# KiCad board gpu-external-power-supply.kicad_pcb (continued)
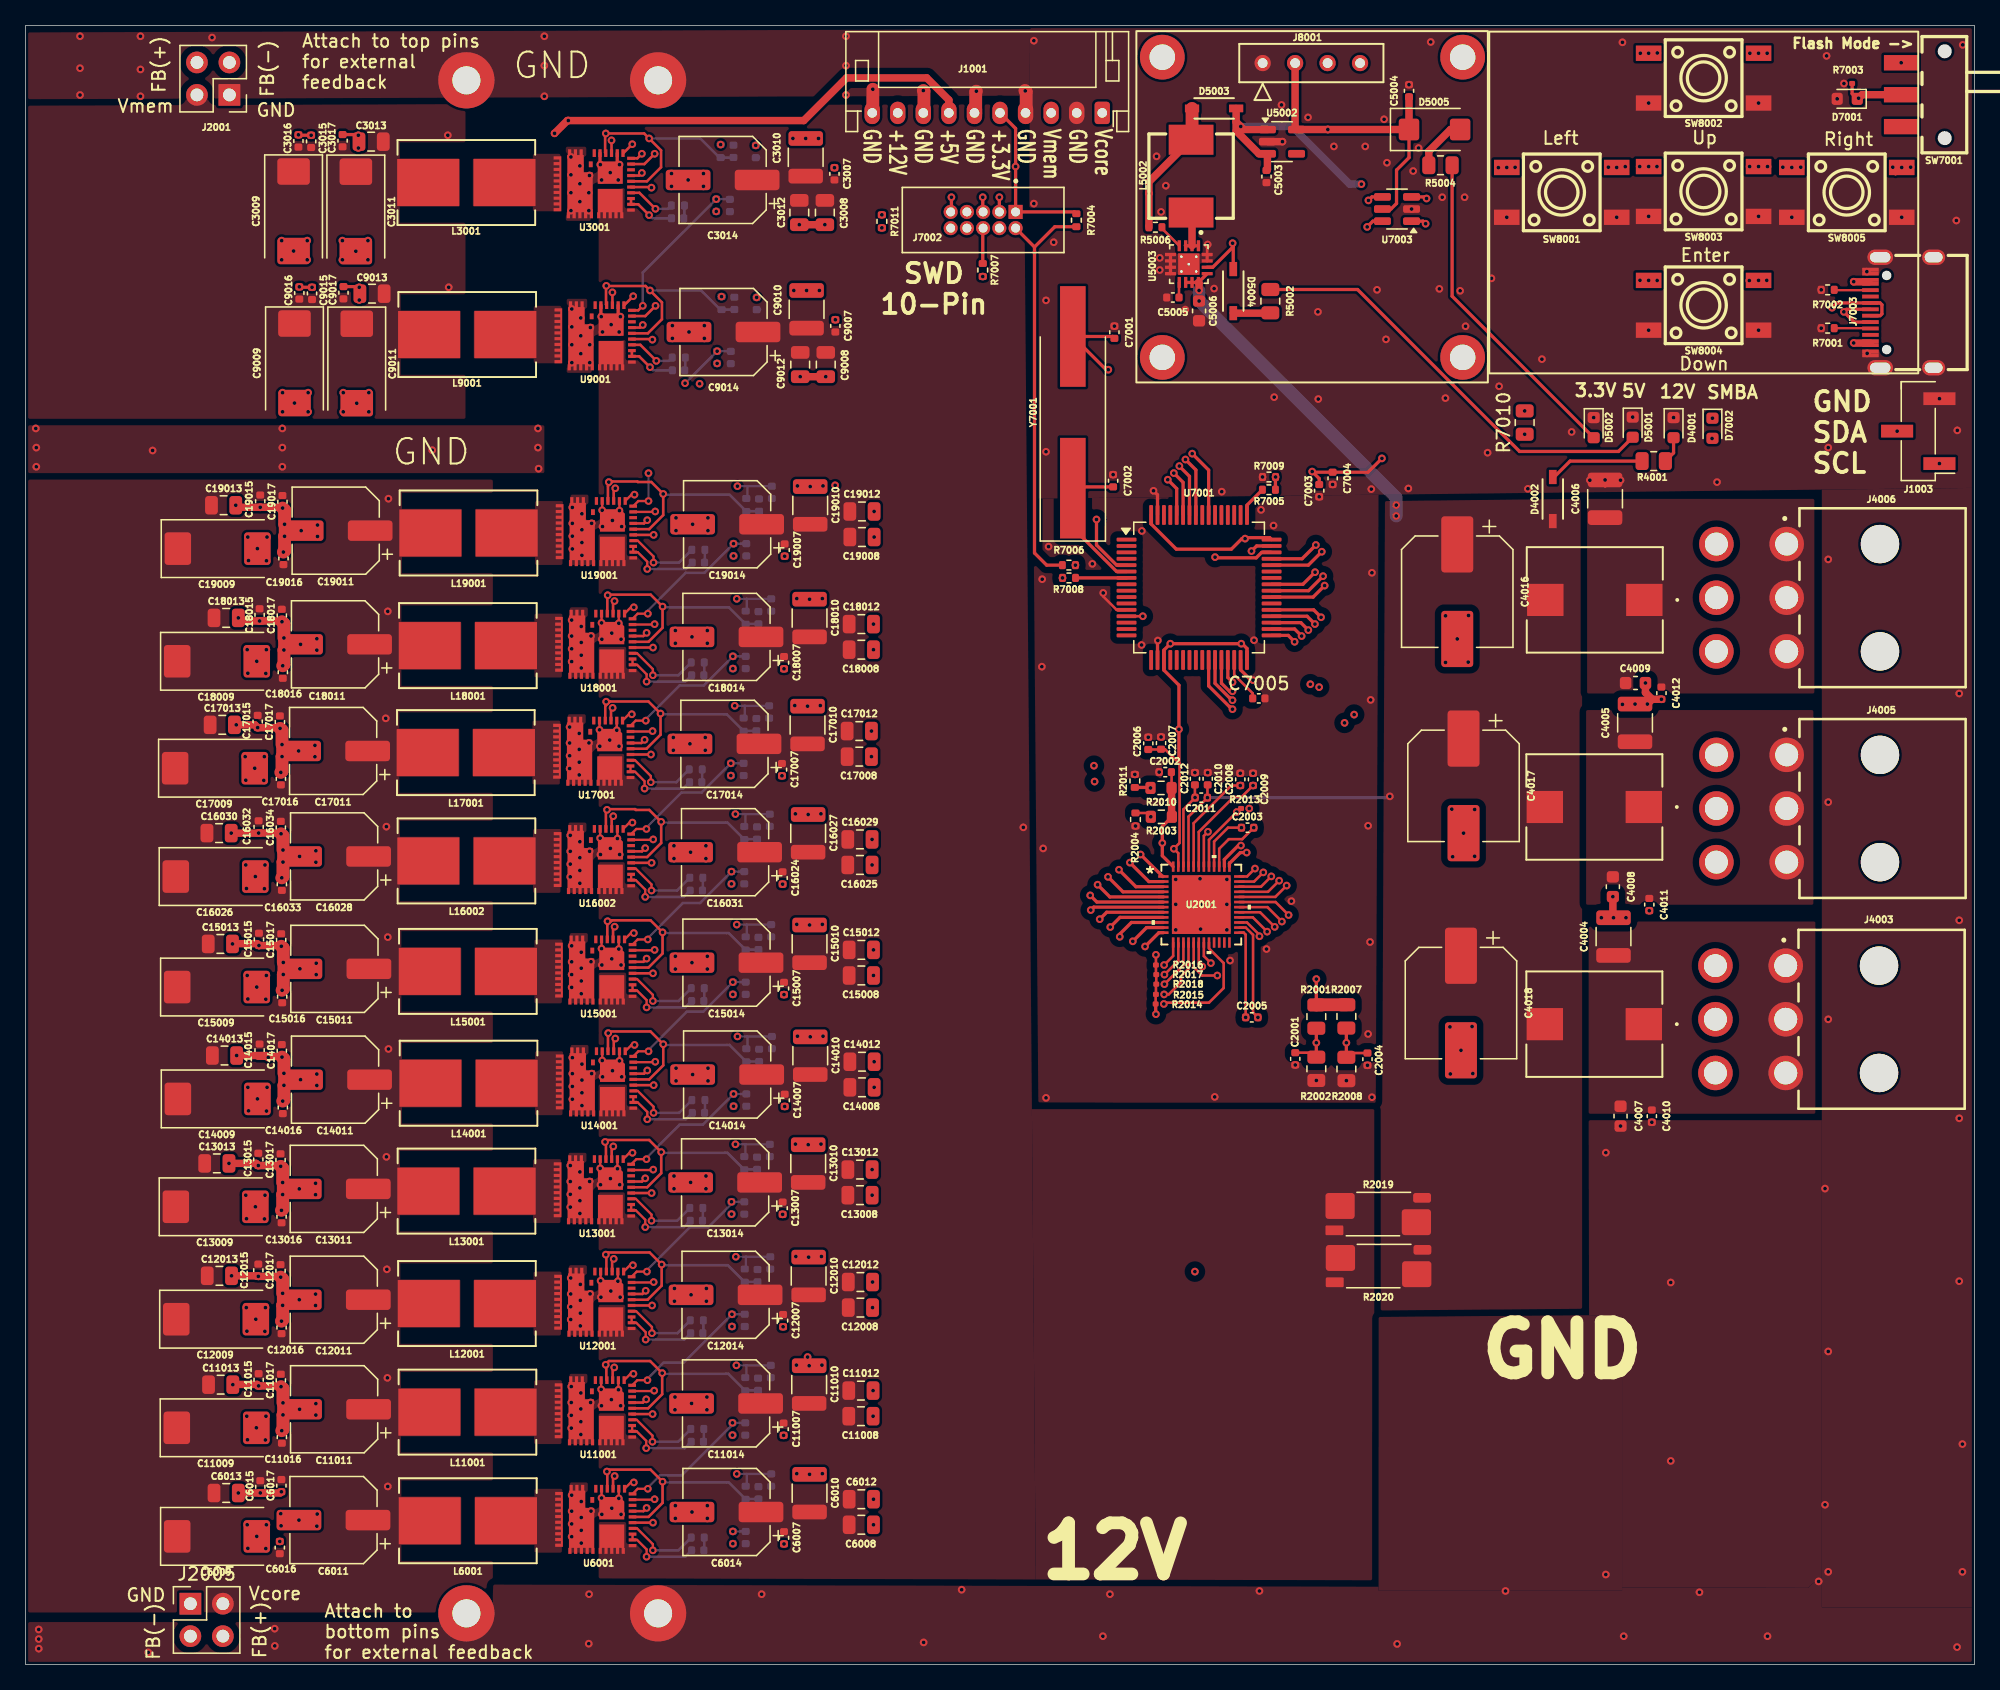
[diagram p0: board, top side]
## Placement (name value [footprint] x y rotation side) (continued)
R15001  2.2  [R_0402_1005Metric]  56.34 56.44 90 bottom
R15002  0  [R_0402_1005Metric]  52.59 52.93 0 bottom
R16003  2.2  [R_0402_1005Metric]  56.23 65.09 90 bottom
R16004  0  [R_0402_1005Metric]  52.48 61.58 0 bottom
R17001  2.2  [R_0402_1005Metric]  56.18 73.57 90 bottom
R17002  0  [R_0402_1005Metric]  52.43 70.06 0 bottom
R18001  2.2  [R_0402_1005Metric]  56.34 81.94 90 bottom
R18002  0  [R_0402_1005Metric]  52.59 78.43 0 bottom
R19001  2.2  [R_0402_1005Metric]  56.39 90.76 90 bottom
R19002  0  [R_0402_1005Metric]  52.64 87.25 0 bottom
REF**  -  [OC_Club_Logo]  139.27 25.74 0 top
SW7001  SW_Wuerth_450301014042  [SW-SMD_K3-1280S-K1]  146.75 122.88 0 top
SW8001  CK_KMS2xxG  [KEY-SMD_4P-L6.0-W6.0-P3.90-LS9.0]  120.19 115.23 180 top
SW8002  CK_KMS2xxG  [KEY-SMD_4P-L6.0-W6.0-P3.90-LS9.0]  131.29 124.17 180 top
SW8003  CK_KMS2xxG  [KEY-SMD_4P-L6.0-W6.0-P3.90-LS9.0]  131.29 115.3 180 top
SW8004  CK_KMS2xxG  [KEY-SMD_4P-L6.0-W6.0-P3.90-LS9.0]  131.29 106.39 180 top
SW8005  CK_KMS2xxG  [KEY-SMD_4P-L6.0-W6.0-P3.90-LS9.0]  142.49 115.23 180 top
U2001  TPS536C7B1RSLT  [QFN48_6X6_TEX]  91.99 59.48 0 top
U3001  -  [AOZ5276QI]  44.47 115.9 270 top
U5002  TPS73633DBVR  [SOT-23-5]  98.3 119.2 0 top
U5003  TPS62143RGTR  [QFN50P300X300X100-17N]  91.02 109.61 270 top
U6001  -  [AOZ5276QI]  44.59 11.35 270 top
U7001  STM32F401RBTx  [LQFP-64_10x10mm_P0.5mm]  91.81 84.3 0 top
U7003  USBLC6-2SC6  [SOT-23-6]  107.3 113.92 180 top
U9001  -  [AOZ5276QI]  44.54 104 270 top
U11001  -  [AOZ5276QI]  44.56 19.85 270 top
U12001  -  [AOZ5276QI]  44.52 28.35 270 top
U13001  -  [AOZ5276QI]  44.48 37.16 270 top
U14001  -  [AOZ5276QI]  44.64 45.6 270 top
U15001  -  [AOZ5276QI]  44.59 54.35 270 top
U16002  -  [AOZ5276QI]  44.48 63 270 top
U17001  -  [AOZ5276QI]  44.43 71.48 270 top
U18001  -  [AOZ5276QI]  44.59 79.85 270 top
U19001  -  [AOZ5276QI]  44.64 88.67 270 top
Y7001  8Mhz, 16pF  [Crystal_SMD_HC49-SD_HandSoldering]  81.94 98.01 90 top

## Library data of the parts
C2001 C2004 = -: Datasheet: https://jlcpcb.com/partdetail/1875-0402B102K500NT/C1523; Description: Unpolarized capacitor; LCSC Part Number: C1523; ki_fp_filters: C_*
C2002 C2010-C2012 C5003 C5004 = -: Datasheet: https://jlcpcb.com/partdetail/15107-CL05A105KP5NNNC/C14445; Description: Unpolarized capacitor; LCSC Part Number: C14445; ki_fp_filters: C_*
C2003 C2005 = -: Datasheet: https://jlcpcb.com/partdetail/1898-0402CG101J500NT/C1546; Description: Unpolarized capacitor; LCSC Part Number: C1546; ki_fp_filters: C_*
C2006 C3003 C3006 C3007 C3017 C4010-C4012 C6003 C6006 C6007 C6017 C7004 C9003 C9006 C9007 C9017 C11003 C11006 C11007 C11017 C12003 C12006 C12007 C12017 C13003 C13006 C13007 C13017 C14003 C14006 C14007 C14017 C15003 C15006 C15007 C15017 C16020 C16023 C16024 C16034 C17003 C17006 C17007 C17017 C18003 C18006 C18007 C18017 C19003 C19006 C19007 C19017 = -: Datasheet: https://jlcpcb.com/partdetail/1933-0402F104M500NT/C1581; Description: Unpolarized capacitor; LCSC Part Number: C1581; ki_fp_filters: C_*
C2007 C3016 C6016 C7003 C9016 C11016 C12016 C13016 C14016 C15016 C16033 C17016 C18016 C19016 = -: Datasheet: https://jlcpcb.com/partdetail/24469-CL05A475MP5NRNC/C23733; Description: Unpolarized capacitor; LCSC Part Number: C23733; ki_fp_filters: C_*
C2008 C2009 = -: Datasheet: https://jlcpcb.com/partdetail/1882-0402B221K500NT/C1530; Description: Unpolarized capacitor; LCSC Part Number: C1530; ki_fp_filters: C_*
C3001 C6001 C9001 C11001 C12001 C13001 C14001 C15001 C16018 C17001 C18001 C19001 = -: Datasheet: https://jlcpcb.com/partdetail/1919-0402CG470J500NT/C1567; Description: Unpolarized capacitor; LCSC Part Number: C1567; ki_fp_filters: C_*
C3002 C3004 C6002 C6004 C9002 C9004 C11002 C11004 C12002 C12004 C13002 C13004 C14002 C14004 C15002 C15004 C16019 C16021 C17002 C17004 C18002 C18004 C19002 C19004 = -: Datasheet: https://jlcpcb.com/partdetail/13164-CL05A225MQ5NSNC/C12530; Description: Unpolarized capacitor; LCSC Part Number: C12530; ki_fp_filters: C_*
C3008 C3012 C6008 C6012 C9008 C9012 C11008 C11012 C12008 C12012 C13008 C13012 C14008 C14012 C15008 C15012 C16025 C16029 C17008 C17012 C18008 C18012 C19008 C19012 = -: Datasheet: https://jlcpcb.com/partdetail/46786-CL21A226MAQNNNE/C45783; Description: Unpolarized capacitor; LCSC Part Number: C45783; ki_fp_filters: C_*
C3009 C3011 C9009 C9011 = -: Datasheet: https://jlcpcb.com/partdetail/Panasonic-EEFCX0E331R/C165969; Description: Unpolarized capacitor; LCSC Part Number: C165969; ki_fp_filters: C_*
C3010 C4004-C4006 C6010 C9010 C11010 C12010 C13010 C14010 C15010 C16027 C17010 C18010 C19010 = -: Datasheet: https://jlcpcb.com/partdetail/MurataElectronics-GRM32ER61C476KE15L/C77101; Description: Unpolarized capacitor; LCSC Part Number: C77101; ki_fp_filters: C_*
C3013 C6013 C9013 C11013 C12013 C13013 C14013 C15013 C16030 C17013 C18013 C19013 = -: Datasheet: https://jlcpcb.com/partdetail/17464-CL21A476MQYNNNE/C16780; Description: Unpolarized capacitor; LCSC Part Number: C16780; ki_fp_filters: C_*
C3014 C6011 C6014 C9014 C11011 C11014 C12011 C12014 C13011 C13014 C14011 C14014 C15011 C15014 C16028 C16031 C17011 C17014 C18011 C18014 C19011 C19014 = -: Datasheet: https://jlcpcb.com/partdetail/HonorElec-RVT1C221M0607/C3342; Description: Unpolarized capacitor; LCSC Part Number: C3342; ki_fp_filters: C_*
C3015 C6015 C9015 C11015 C12015 C13015 C14015 C15015 C16032 C17015 C18015 C19015 = -: Datasheet: https://jlcpcb.com/partdetail/Chinocera-HGC0402R5226M6R3NTEJ/C7432764; Description: Unpolarized capacitor; LCSC Part Number: C7432764; ki_fp_filters: C_*
C4007-C4009 C5006 = -: Datasheet: https://jlcpcb.com/partdetail/71320-0603X106K160NT/C70225; Description: Unpolarized capacitor; LCSC Part Number: C70225; ki_fp_filters: C_*
C4016-C4018 = -: Datasheet: https://jlcpcb.com/partdetail/66294-DV471M016F105ETR/C65223; Description: Unpolarized capacitor; LCSC Part Number: C65223; ki_fp_filters: C_*
C5005 = -: Datasheet: https://jlcpcb.com/partdetail/1888-0402B332K500NT/C1536; Description: Unpolarized capacitor; LCSC Part Number: C1536; ki_fp_filters: C_*
C6009 C11009 C12009 C13009 C14009 C15009 C16026 C17009 C18009 C19009 = -: Datasheet: https://jlcpcb.com/partdetail/Panasonic-EEFGX0E471R/C139572; Description: Unpolarized capacitor; LCSC Part Number: C139572; ki_fp_filters: C_*
C7001 C7002 C7005 = -: Datasheet: https://jlcpcb.com/partdetail/1906-0402CG200J500NT/C1554; Description: Unpolarized capacitor; LCSC Part Number: C1554; ki_fp_filters: C_*
D4001 D5001 D5002 D7002 = -: Datasheet: https://jlcpcb.com/partdetail/Hubei_KentoElec-KT0603R/C2286; Description: Light emitting diode; LCSC Part Number: C2286; ki_fp_filters: LED* LED_SMD:* LED_THT:*
D4002 = -: Datasheet: https://www.digikey.com/en/products/detail/diodes-incorporated/BZT52C10-7-F/717726?s=N4IgTCBcDaIEIC0AqBWMBhAjABgLQDEARASXSVwDlCQBdAXyA; Description: Zener diode; ki_fp_filters: TO-???* *_Diode_* *SingleDiode* D_*
D5003 = -: Datasheet: https://www.digikey.com/en/products/detail/diodes-incorporated/1N4148WQ-13-F/16548119?s=N4IgTCBcDaIMwEYC0CByAWB6AcB1AiinEgGIDCAKkqgCIgC6AvkA; Description: Diode; Sim.Device: D; Sim.Pins: 1=K 2=A; ki_fp_filters: TO-???* *_Diode_* *SingleDiode* D_*
D5004 = -: Datasheet: https://www.digikey.com/en/products/detail/vishay-general-semiconductor-diodes-division/MMSZ4682-E3-08/4832238?s=N4IgTCBcDaIIxzAWgLIoMoC0AsA2AHMgKIDMSADPgMIAqSAcgCIgC6AvkA; Description: Zener diode; ki_fp_filters: TO-???* *_Diode_* *SingleDiode* D_*
D5005 = -: Datasheet: https://www.digikey.com/en/products/detail/diotec-semiconductor/Z1SMA1/22190012?s=N4IgTCBcDaICwA4DsCC0AtAjAZQLIEFMBhAFVQDkAREAXQF8g; Description: Zener diode; ki_fp_filters: TO-???* *_Diode_* *SingleDiode* D_*
D7001 = -: Datasheet: https://www.digikey.com/en/products/detail/kyocera-avx/GG060303100N2P/22245452?s=https://www.digikey.com/en/products/detail/comchip-technology/CPDUR5V0-HF/3308693?s=N4IgTCBcDaIGwBYCMBaMAGA7HFqByAIiALoC%2BQA; Description: TVS Zener diode; ki_fp_filters: TO-???* *_Diode_* *SingleDiode* D_*
H1-H4 = -: Description: Mounting Hole with connection; ki_fp_filters: MountingHole*Pad*
J1001 = -: Datasheet: https://jlcpcb.com/partdetail/Jst-S10B_PH_K_S_LF_SN/C157947; Description: Generic connector, single row, 01x10, script generated; LCSC Part Number: C157947; ki_fp_filters: Connector*:*_1x??_*
J1003 = -: Datasheet: https://jlcpcb.com/partdetail/XkbConnection-X6511WVS_03HC60D48R2/C2883760; Description: Generic connector, single row, 01x03, script generated; LCSC Part Number: C2883760; ki_fp_filters: Connector*:*_1x??_*
J2001 J2005 = -: Description: Generic connector, double row, 02x02, counter clockwise pin numbering scheme (similar to DIP package numbering), script generated (kicad-library-utils/schlib/autogen/connector/); LCSC Part Number: C66690; ki_fp_filters: Connector*:*_2x??_*
J4003 J4005 J4006 = -: Datasheet: https://jlcpcb.com/parts/componentSearch?searchTxt=1724480006; LCSC Part Number: C586651
J7002 = -: Datasheet: https://jlcpcb.com/partdetail/Hanxia-HX_JN1_27_2x5_TP_H49/C42372555; Description: Cortex Debug Connector, standard ARM Cortex-M SWD and JTAG interface; LCSC Part Number: C42372555; ki_fp_filters: PinHeader?2x05?P1.27mm*
J7003 = -: Datasheet: https://www.usb.org/sites/default/files/documents/usb_type-c.zip; Description: USB 2.0-only 16P Type-C Receptacle connector; LCSC Part Number: C2927038; ki_fp_filters: USB*C*Receptacle*
J8001 = -: Datasheet: https://jlcpcb.com/partdetail/125688-B_2200S04PA120/C124413; Description: Generic connector, single row, 01x04, script generated; LCSC Part Number: C124413; ki_fp_filters: Connector*:*_1x??_*
L3001 L6001 L9001 L11001 L12001 L13001 L14001 L15001 L16002 L17001 L18001 L19001 = -: Datasheet: https://www.digikey.com/en/products/detail/vishay-dale/IHVR4025JZEZR15M3Z/14545068; Description: Inductor; LCSC Part Number: C19483954; ki_fp_filters: Choke_* *Coil* Inductor_* L_*
L4001-L4003 = -: Datasheet: https://www.digikey.com/en/products/detail/vishay-dale/IFLR4031GCERR17M01/6181821; Description: Inductor; LCSC Part Number: C1331996; ki_fp_filters: Choke_* *Coil* Inductor_* L_*
L5002 = -: Datasheet: https://jlcpcb.com/partdetail/ShouHan-CYA0630_22UH/C5189746; Description: Inductor; LCSC Part Number: C5189746; ki_fp_filters: Choke_* *Coil* Inductor_* L_*
R2001 R2002 R2007 R2008 = -: Datasheet: https://jlcpcb.com/partdetail/18102-0805W8F1002T5E/C17414; Description: Resistor; LCSC Part Number: C17414; ki_fp_filters: R_*
R2003 R2010 = -: Datasheet: https://jlcpcb.com/partdetail/23522-0603WAF1303T5E/C22795; Description: Resistor; LCSC Part Number: C22795; ki_fp_filters: R_*
R2004 R2011 = -: Datasheet: https://jlcpcb.com/partdetail/26631-0402WGF3742TCE/C25888; Description: Resistor; LCSC Part Number: C25888; ki_fp_filters: R_*
R2013-R2018 R7003 = -: Datasheet: https://jlcpcb.com/partdetail/LizElec-CR0201FH1002G/C100126; Description: Resistor; LCSC Part Number: C100126; ki_fp_filters: R_*
R2019 R2020 = -: Datasheet: https://jlcpcb.com/partdetail/Ever_OhmsTech-MA251220FR001MZ/C252657; Description: Shunt resistor; LCSC Part Number: C252657; ki_fp_filters: R_*Shunt*
R3001 R6001 R9001 R11001 R12001 R13001 R14001 R15001 R16003 R17001 R18001 R19001 = -: Datasheet: https://jlcpcb.com/partdetail/25901-0402WGJ022JTCE/C25158; Description: Resistor; LCSC Part Number: C25158; ki_fp_filters: R_*
R3002 R6002 R9002 R11002 R12002 R13002 R14002 R15002 R16004 R17002 R18002 R19002 = -: Datasheet: https://jlcpcb.com/partdetail/17853-0402WGF0000TCE/C17168; Description: Resistor; LCSC Part Number: C17168; ki_fp_filters: R_*
R4001 = -: Description: Resistor; LCSC Part Number: C17477; ki_fp_filters: R_*
R5002 R5004 = -: Datasheet: https://jlcpcb.com/partdetail/18529-0805W8F820JT5E/C17841; Description: Resistor; LCSC Part Number: C17841; ki_fp_filters: R_*
R5006 R7004 R7009 R7011 = -: Datasheet: https://jlcpcb.com/partdetail/26484-0402WGF1003TCE/C25741; Description: Resistor; LCSC Part Number: C25741; ki_fp_filters: R_*
R7001 R7002 = -: Datasheet: https://jlcpcb.com/partdetail/26648-0402WGF5101TCE/C25905; Description: Resistor; LCSC Part Number: C25905; ki_fp_filters: R_*
R7005-R7008 = -: Datasheet: https://jlcpcb.com/partdetail/25819-0402WGF1000TCE/C25076; Description: Resistor; LCSC Part Number: C25076; ki_fp_filters: R_*
R7010 = -: Description: Resistor; LCSC Part Number: C17798; ki_fp_filters: R_*
SW7001 = -: Description: Switch, dual pole double throw, separate symbols; LCSC Part Number: C92658; ki_fp_filters: SW*DPDT*
SW8001-SW8005 = -: Datasheet: https://jlcpcb.com/partdetail/Korean_HropartsElec-K2_6639SP_C4SC04/C83206; Description: Microminiature SMT Side Actuated, 4.2 x 2.8 x 1.42mm, without pegs, with shield pin; PARTREV: 1.0; MANUFACTURER: CUI Devices; STANDARD: Manufacturer Recommendations; LCSC Part Number: C8326
U2001 = -: Datasheet: https://jlcpcb.com/partdetail/TexasInstruments-TPS536C7B1RSLR/C3189587; LCSC Part Number: C3189587; ki_fp_filters: QFN48_6X6_TEX QFN48_6X6_TEX-M QFN48_6X6_TEX-L
U3001 U6001 U9001 U11001 U12001 U13001 U14001 U15001 U16002 U17001 U18001 U19001 = -: Datasheet: https://mm.digikey.com/Volume0/opasdata/d220001/medias/docus/4313/AOZ5276QI_Rev1.0_Feb2022.pdf; LCSC Part Number: C5587859
U5002 = -: Datasheet: https://jlcpcb.com/partdetail/TexasInstruments-TPS73633DBVR/C28038; LCSC Part Number: C28038; ki_fp_filters: DBV5 DBV5-M DBV5-L
U5003 = -: Datasheet: https://jlcpcb.com/partdetail/TexasInstruments-TPS62143RGTR/C2070702; LCSC Part Number: C2070702
U7001 = -: Datasheet: https://jlcpcb.com/partdetail/Stmicroelectronics-STM32F401RBT6/C75278https://jlcpcb.com/partdetail/Stmicroelectronics-STM32F401RBT6/C75278; Description: STMicroelectronics Arm Cortex-M4 MCU, 128KB flash, 64KB RAM, 84 MHz, 1.7-3.6V, 50 GPIO, LQFP64; LCSC Part Number: C75278; ki_fp_filters: LQFP*10x10mm*P0.5mm*
U7003 = -: Datasheet: https://jlcpcb.com/partdetail/2790619-USBLC62SC6/C2687116; Description: Very low capacitance ESD protection diode, 2 data-line, SOT-23-6; LCSC Part Number: C2687116; ki_fp_filters: SOT?23*
Y7001 = -: Description: Two pin crystal; LCSC Part Number: C7045397; ki_fp_filters: Crystal*

## Footprints (pads in the part's own frame, mm; a bottom-side part is the same pattern mirrored in y, then rotated)
AOZ5276QI
  rect 0.6x0.25 smd: 1(-2.4,2.275) 2(-2.4,1.825) 3(-2.4,1.375) 4(-2.4,0.925) 5(-2.4,0.475) 6(-2.4,0.025)
  custom 4.3x0.6 smd: 10(0,-2.605)
  custom 5.4x2.05 smd: 20(-0.65,-0.35)
  custom 2.3x2.05 smd: 25(0.65,2)
  rect 0.25x0.6 smd: 30(2.055,2.9) 31(1.605,2.9) 32(1.155,2.9) 33(0.705,2.9) 34(0.255,2.9) 35(-0.195,2.9) 36(-0.645,2.9) 37(-1.095,2.9) 38(-1.545,2.9) 39(-1.995,2.9)
  rrect 1.75x1.95 smd: 40(-0.875,1.275)
  rect 0.45x0.3 smd: 41(-1.525,-0.25)
C_0402_1005Metric
  rrect 0.56x0.62 smd: 1(-0.48,0) 2(0.48,0)
C_0603_1608Metric
  rrect 0.9x0.95 smd: 1(-0.775,0) 2(0.775,0)
C_0805_2012Metric
  rrect 1x1.45 smd: 1(-0.95,0) 2(0.95,0)
C_1210_3225Metric
  rrect 1.15x2.7 smd: 1(-1.475,0) 2(1.475,0)
CNC_3221-10-0100-00
  rect 1.1x1.1 hole 0.7: 1(-2.54,-0.635)
  round 1.1 hole 0.7: 2(-2.54,0.635) 3(-1.27,-0.635) 4(-1.27,0.635) 5(0,-0.635) 6(0,0.635) 7(1.27,-0.635) 8(1.27,0.635) 9(2.54,-0.635) 10(2.54,0.635)
CONN_PPTC041LFBN-RC_SUL
  round 3.5 hole 2 unplated: (2.028,-2.037) (2.028,-25.537) (25.528,-2.037) (25.528,-25.537)
  round 1.27 hole 0.762: 1(9.88,-2.5) 2(12.42,-2.5) 3(14.96,-2.5) 4(17.5,-2.5)
CP_EIA-7343-40_Kemet-Y
  rrect 2.075x2.55 smd: 1(-3.112,0) 2(3.112,0)
CP_Elec_6.3x7.7
  rrect 3.5x1.6 smd: 1(-2.7,0) 2(2.7,0)
CP_Elec_8x10.5
  rrect 4.4x2.5 smd: 1(-3.7,0) 2(3.7,0)
Crystal_SMD_HC49-SD_HandSoldering
  rect 7.875x2 smd: 1(-5.938,0) 2(5.938,0)
D_0603_1608Metric
  rrect 0.875x0.95 smd: 1(-0.787,0) 2(0.787,0)
IND-SMD_L7.2-W6.6_GPSR07X0
  rect 2.35x3.5 smd: 1(-2.85,0) 2(2.85,0)
IND_IFLR4031GCERR17M01_VIS
  rect 2.845x2.515 smd: 1(-3.873,0) 2(3.873,0)
IND_IHVR-4025JZ-3Z_VIS
  rect 4.851x3.683 smd: 1(-2.985,0) 2(2.985,0)
JST_PH_S10B-PH-K_1x10_P2.00mm_Horizontal
  rrect 1.2x1.75 hole 0.75: 1(0,0)
  oval 1.2x1.75 hole 0.75: 2(2,0) 3(4,0) 4(6,0) 5(8,0) 6(10,0) 7(12,0) 8(14,0) 9(16,0) 10(18,0)
KEY-SMD_4P-L6.0-W6.0-P3.90-LS9.0
  rect 2x1.2 smd: 1(-4.3,1.95) 2(4.3,1.95) 3(-4.3,-1.95) 4(4.3,-1.95)
LED_0603_1608Metric
  rrect 0.875x0.95 smd: 1(-0.787,0) 2(0.787,0)
LQFP-64_10x10mm_P0.5mm
  rrect 1.55x0.3 smd: 1(-5.675,3.75) 2(-5.675,3.25) 3(-5.675,2.75) 4(-5.675,2.25) 5(-5.675,1.75) 6(-5.675,1.25) 7(-5.675,0.75) 8(-5.675,0.25) 9(-5.675,-0.25) 10(-5.675,-0.75) 11(-5.675,-1.25) 12(-5.675,-1.75) 13(-5.675,-2.25) 14(-5.675,-2.75) 15(-5.675,-3.25) 16(-5.675,-3.75) 33(5.675,-3.75) 34(5.675,-3.25) 35(5.675,-2.75) 36(5.675,-2.25) 37(5.675,-1.75) 38(5.675,-1.25) 39(5.675,-0.75) 40(5.675,-0.25) 41(5.675,0.25) 42(5.675,0.75) 43(5.675,1.25) 44(5.675,1.75) 45(5.675,2.25) 46(5.675,2.75) 47(5.675,3.25) 48(5.675,3.75)
  rrect 0.3x1.55 smd: 17(-3.75,-5.675) 18(-3.25,-5.675) 19(-2.75,-5.675) 20(-2.25,-5.675) 21(-1.75,-5.675) 22(-1.25,-5.675) 23(-0.75,-5.675) 24(-0.25,-5.675) 25(0.25,-5.675) 26(0.75,-5.675) 27(1.25,-5.675) 28(1.75,-5.675) 29(2.25,-5.675) 30(2.75,-5.675) 31(3.25,-5.675) 32(3.75,-5.675) 49(3.75,5.675) 50(3.25,5.675) 51(2.75,5.675) 52(2.25,5.675) 53(1.75,5.675) 54(1.25,5.675) 55(0.75,5.675) 56(0.25,5.675) 57(-0.25,5.675) 58(-0.75,5.675) 59(-1.25,5.675) 60(-1.75,5.675) 61(-2.25,5.675) 62(-2.75,5.675) 63(-3.25,5.675) 64(-3.75,5.675)
MountingHole_2.2mm_M2_Pad
  round 4.4 hole 2.2: 1(0,0)
P25_DO-214AC_SMA
  rrect 1.6x1.7 smd: 1(0,0) 2(4,0)
PCIe_2x3_Conn_Header
  round 3 hole 3 unplated: (-4.2,0.2) (4.2,0.2)
  round 2.7 hole 1.8: 1(4.2,7.5) 2(0,7.5) 3(-4.2,7.5) 4(4.2,13) 5(0,13) 6(-4.2,13)
PinHeader_1x03_P2.54mm_Vertical_SMD_Pin1Left
  rect 2.51x1 smd: 1(-1.655,2.54) 2(1.655,0) 3(-1.655,-2.54)
PinHeader_2x02_P2.54mm_Vertical
  rect 1.7x1.7 hole 1: 1(0,0)
  oval 1.7x1.7 hole 1: 2(2.54,0) 3(0,-2.54) 4(2.54,-2.54)
QFN48_6X6_TEX
  rect 0.808x0.204 smd: 1(-2.969,2.2) 2(-2.969,1.8) 3(-2.969,1.4) 4(-2.969,1) 5(-2.969,0.6) 6(-2.969,0.2) 7(-2.969,-0.2) 8(-2.969,-0.6) 9(-2.969,-1) 10(-2.969,-1.4) 11(-2.969,-1.8) 12(-2.969,-2.2) 25(2.969,-2.2) 26(2.969,-1.8) 27(2.969,-1.4) 28(2.969,-1) 29(2.969,-0.6) 30(2.969,-0.2) 31(2.969,0.2) 32(2.969,0.6) 33(2.969,1) 34(2.969,1.4) 35(2.969,1.8) 36(2.969,2.2)
  rect 0.204x0.808 smd: 13(-2.2,-2.971) 14(-1.8,-2.971) 15(-1.4,-2.971) 16(-1,-2.971) 17(-0.6,-2.971) 18(-0.2,-2.971) 19(0.2,-2.971) 20(0.6,-2.971) 21(1,-2.971) 22(1.4,-2.971) 23(1.8,-2.971) 24(2.2,-2.971) 37(2.2,2.971) 38(1.8,2.971) 39(1.4,2.971) 40(1,2.971) 41(0.6,2.971) 42(0.2,2.971) 43(-0.2,2.971) 44(-0.6,2.971) 45(-1,2.971) 46(-1.4,2.971) 47(-1.8,2.971) 48(-2.2,2.971)
  rect 4.597x4.597 smd: 49(0,0)
QFN50P300X300X100-17N
  rrect 0.86x0.26 smd: 1(-1.435,0.75) 2(-1.435,0.25) 3(-1.435,-0.25) 4(-1.435,-0.75) 9(1.435,-0.75) 10(1.435,-0.25) 11(1.435,0.25) 12(1.435,0.75)
  rrect 0.26x0.86 smd: 5(-0.75,-1.435) 6(-0.25,-1.435) 7(0.25,-1.435) 8(0.75,-1.435) 13(0.75,1.435) 14(0.25,1.435) 15(-0.25,1.435) 16(-0.75,1.435)
  rect 1.68x1.68 smd: 17(0,0)
  round 0.4 hole 0.2: 18(0,0) 19(-0.58,0.58) 20(0.58,0.58) 21(-0.58,-0.58) 22(0.58,-0.58)
R_0201_0603Metric
  rrect 0.318x0.36 smd: (-0.345,0) (0.345,0)
  rrect 0.46x0.4 smd: 1(-0.32,0) 2(0.32,0)
R_0402_1005Metric
  rrect 0.54x0.64 smd: 1(-0.51,0) 2(0.51,0)
R_0603_1608Metric
  rrect 0.8x0.95 smd: 1(-0.825,0) 2(0.825,0)
R_0805_2012Metric
  rrect 1.025x1.4 smd: 1(-0.912,0) 2(0.912,0)
R_Shunt_Vishay_WSK2512_6332Metric_T1.19mm
  rrect 2.29x2.03 smd: 1(-2.985,0.635) 4(2.985,-0.635)
  rrect 1.4x0.76 smd: 2(-3.43,-1.27) 3(3.43,1.27)
SOD123_DIO
  rect 1.111x0.601 smd: 1(-1.725,0) 2(1.725,0)
SOT-23-5
  rrect 1.325x0.6 smd: 1(-1.137,0.95) 2(-1.137,0) 3(-1.137,-0.95) 4(1.137,-0.95) 5(1.137,0.95)
SOT-23-6
  rrect 1.325x0.6 smd: 1(-1.137,0.95) 2(-1.137,0) 3(-1.137,-0.95) 4(1.137,-0.95) 5(1.137,0) 6(1.137,0.95)
SW-SMD_K3-1280S-K1
  rect 2.7x1.2 smd: 1(0,2.5) 2(0,0) 3(0,-2.5)
USB-C_SMD-TYPE-C-31-M-12
  oval 1.2x2 hole 0.8x1.6: 0(-4.325,1.706) 1(4.325,1.706)
  oval 1.2x1.8 hole 0.8x1.4: 2(4.325,-2.474) 3(-4.325,-2.474)
  rect 0.3x1.3 smd: A1(-3.35,2.474) A4(-2.55,2.474) A5(-1.25,2.474) A6(-0.25,2.474) A7(0.25,2.474) A8(1.25,2.474) A9(2.55,2.474) A12(3.35,2.474) B1(3.05,2.474) B4(2.25,2.474) B5(1.75,2.474) B6(0.75,2.474) B7(-0.75,2.474) B8(-1.75,2.474) B9(-2.25,2.474) B12(-3.05,2.474)

## Nets
+3.3V: C2006.1 C2007.1 C5004.1 C7003.1 C7004.1 D5005.1 D7002.2 J1001.5 J7002.1 J8001.2 R2001.1 R2007.1 R2013.1 R2014.1 R2015.1 R2016.1 R2017.1 R2018.1 R7004.1 R7011.1 SW7001.1 U2001.47 U5002.5 U7001.13 U7001.19 U7001.32 U7001.48 U7001.64 U7003.5
/+5V: C3002.1 C6002.1 C9002.1 C11002.1 C12002.1 C13002.1 C14002.1 C15002.1 C16019.1 C17002.1 C18002.1 C19002.1 D5003.2 D5004.1 J1001.7 L5002.2 R3001.1 R5006.2 R6001.1 R9001.1 R11001.1 R12001.1 R13001.1 R14001.1 R15001.1 R16003.1 R17001.1 R18001.1 R19001.1 U3001.4 U3001.35 U5003.14 U6001.4 U6001.35 U9001.4 U9001.35 U11001.4 U11001.35 U12001.4 U12001.35 U13001.4 U13001.35 U14001.4 U14001.35 U15001.4 U15001.35 U16002.4 U16002.35 U17001.4 U17001.35 U18001.4 U18001.35 U19001.4 U19001.35
/+12V: C2010.1 C2011.1 C4016.1 C4017.1 C4018.1 C5006.1 D4002.1 L4001.2 L4002.2 L4003.2 R2019.3 R2019.4 R2020.3 R2020.4 U2001.45 U5003.10 U5003.11 U5003.12 U5003.13
GND: C2001.2 C2002.1 C2004.2 C2006.2 C2007.2 C2008.2 C2009.2 C2010.2 C2012.2 C3002.2 C3003.2 C3004.2 C3007.2 C3008.2 C3009.2 C3010.2 C3011.2 C3012.2 C3013.2 C3014.2 C3015.2 C3016.2 C3017.2 C4004.2 C4005.2 C4006.2 C4007.2 C4008.2 C4009.2 C4010.2 C4011.2 C4012.2 C4016.2 C4017.2 C4018.2 C5003.2 C5004.2 C5005.2 C5006.2 C6002.2 C6003.2 C6004.2 C6007.2 C6008.2 C6009.2 C6010.2 C6011.2 C6012.2 C6013.2 C6014.2 C6015.2 C6016.2 C6017.2 C7001.1 C7002.1 C7003.2 C7004.2 C7005.2 C9002.2 C9003.2 C9004.2 C9007.2 C9008.2 C9009.2 C9010.2 C9011.2 C9012.2 C9013.2 C9014.2 C9015.2 C9016.2 C9017.2 C11002.2 C11003.2 C11004.2 C11007.2 C11008.2 C11009.2 C11010.2 C11011.2 C11012.2 C11013.2 C11014.2 C11015.2 C11016.2 C11017.2 C12002.2 C12003.2 C12004.2 C12007.2 C12008.2 C12009.2 C12010.2 C12011.2 C12012.2 C12013.2 C12014.2 C12015.2 C12016.2 C12017.2 C13002.2 C13003.2 C13004.2 C13007.2 C13008.2 C13009.2 C13010.2 C13011.2 C13012.2 C13013.2 C13014.2 C13015.2 C13016.2 C13017.2 C14002.2 C14003.2 C14004.2 C14007.2 C14008.2 C14009.2 C14010.2 C14011.2 C14012.2 C14013.2 C14014.2 C14015.2 C14016.2 C14017.2 C15002.2 C15003.2 C15004.2 C15007.2 C15008.2 C15009.2 C15010.2 C15011.2 C15012.2 C15013.2 C15014.2 C15015.2 C15016.2 C15017.2 C16019.2 C16020.2 C16021.2 C16024.2 C16025.2 C16026.2 C16027.2 C16028.2 C16029.2 C16030.2 C16031.2 C16032.2 C16033.2 C16034.2 C17002.2 C17003.2 C17004.2 C17007.2 C17008.2 C17009.2 C17010.2 C17011.2 C17012.2 C17013.2 C17014.2 C17015.2 C17016.2 C17017.2 C18002.2 C18003.2 C18004.2 C18007.2 C18008.2 C18009.2 C18010.2 C18011.2 C18012.2 C18013.2 C18014.2 C18015.2 C18016.2 C18017.2 C19002.2 C19003.2 C19004.2 C19007.2 C19008.2 C19009.2 C19010.2 C19011.2 C19012.2 C19013.2 C19014.2 C19015.2 C19016.2 C19017.2 D4001.1 D5001.1 D5002.1 D7001.2 H1.1 H2.1 H3.1 H4.1 J1001.2 J1001.4 J1001.6 J1001.8 J1001.10 J1003.3 J2001.1 J2005.1 J4003.4 J4003.5 J4003.6 J4005.4 J4005.5 J4005.6 J4006.4 J4006.5 J4006.6 J7002.3 J7002.5 J7002.9 J7003.0 J7003.1 J7003.2 J7003.3 J7003.A1 J7003.A12 J7003.B1 J7003.B12 J8001.1 R2002.2 R2004.2 R2008.2 R2011.2 R7001.2 R7002.2 R7003.1 R7009.2 SW8001.1 SW8001.2 SW8002.1 SW8002.2 SW8003.1 SW8003.2 SW8004.1 SW8004.2 SW8005.1 SW8005.2 U2001.49 U3001.2 U3001.5 U3001.20 U3001.40 U5002.2 U5003.5 U5003.6 U5003.7 U5003.8 U5003.15 U5003.16 U5003.17 U5003.18 U5003.19 U5003.20 U5003.21 U5003.22 U6001.2 U6001.5 U6001.20 U6001.40 U7001.12 U7001.18 U7001.31 U7001.47 U7001.63 U7003.2 U9001.2 U9001.5 U9001.20 U9001.40 U11001.2 U11001.5 U11001.20 U11001.40 U12001.2 U12001.5 U12001.20 U12001.40 U13001.2 U13001.5 U13001.20 U13001.40 U14001.2 U14001.5 U14001.20 U14001.40 U15001.2 U15001.5 U15001.20 U15001.40 U16002.2 U16002.5 U16002.20 U16002.40 U17001.2 U17001.5 U17001.20 U17001.40 U18001.2 U18001.5 U18001.20 U18001.40 U19001.2 U19001.5 U19001.20 U19001.40
VBUS: C5003.1 D5003.1 J7003.A4 J7003.A9 J7003.B4 J7003.B9 U5002.1 U5002.3
/CSNIN: J1001.9
/U Controller/BOOT0: D7001.1 R7003.2 SW7001.2 U7001.60
/U Controller/I2C_SMBA: U7001.42
/U Controller/NRST: R7008.2 U7001.7
/U Controller/OSC_IN: C7001.2 U7001.5 Y7001.2
/U Controller/OSC_OUT: C7002.2 U7001.6 Y7001.1
/U Controller/PA0: U7001.14
/U Controller/PA1: U7001.15
/U Controller/PA2: U7001.16
/U Controller/PA3: U7001.17
/U Controller/PA4: U7001.20
/U Controller/PA5: U7001.21
/U Controller/PA6: U7001.22
/U Controller/PA7: U7001.23
/U Controller/PA10: U7001.43
/U Controller/PA15: U7001.50
/U Controller/PB4: U7001.56
/U Controller/PB8: U7001.61
/U Controller/PB9: U7001.62
/U Controller/PC0: U7001.8
/U Controller/PC1: U7001.9
/U Controller/PC2: U7001.10
/U Controller/PC3: U7001.11
/U Controller/PC4: U7001.24
/U Controller/PC5: U7001.25
/U Controller/PC7: U7001.38
/U Controller/PC10: U7001.51
/U Controller/PC11: U7001.52
/U Controller/PC12: U7001.53
/U Controller/PC13: U7001.2
/U Controller/PC14: U7001.3
/U Controller/PC15: U7001.4
/U Controller/SWCLK: R7005.2 U7001.49
/U Controller/SWDIO: R7006.2 U7001.46
/U Controller/SWO: R7007.2 U7001.55
/VRM Controller/ADDR_CONFIG: R2010.2 R2011.1 U2001.42
/VRM Controller/CSNIN: C2011.2 C2012.1 C3007.1 C3008.1 C3010.1 C3012.1 C3014.1 C6007.1 C6008.1 C6010.1 C6012.1 C6014.1 C9007.1 C9008.1 C9010.1 C9012.1 C9014.1 C11007.1 C11008.1 C11010.1 C11012.1 C11014.1 C12007.1 C12008.1 C12010.1 C12012.1 C12014.1 C13007.1 C13008.1 C13010.1 C13012.1 C13014.1 C14007.1 C14008.1 C14010.1 C14012.1 C14014.1 C15007.1 C15008.1 C15010.1 C15012.1 C15014.1 C16024.1 C16025.1 C16027.1 C16029.1 C16031.1 C17007.1 C17008.1 C17010.1 C17012.1 C17014.1 C18007.1 C18008.1 C18010.1 C18012.1 C18014.1 C19007.1 C19008.1 C19010.1 C19012.1 C19014.1 R2019.1 R2019.2 R2020.1 R2020.2 U2001.46 U3001.25 U3001.30 U6001.25 U6001.30 U9001.25 U9001.30 U11001.25 U11001.30 U12001.25 U12001.30 U13001.25 U13001.30 U14001.25 U14001.30 U15001.25 U15001.30 U16002.25 U16002.30 U17001.25 U17001.30 U18001.25 U18001.30 U19001.25 U19001.30
/VRM Controller/Cur_A_1: C6001.1 U2001.27 U6001.38
/VRM Controller/Cur_A_2: C11001.1 U2001.28 U11001.38
/VRM Controller/Cur_A_3: C12001.1 U2001.29 U12001.38
/VRM Controller/Cur_A_4: C13001.1 U2001.30 U13001.38
/VRM Controller/Cur_A_5: C14001.1 U2001.31 U14001.38
/VRM Controller/Cur_A_6: C15001.1 U2001.32 U15001.38
/VRM Controller/Cur_A_7: C16018.1 U2001.33 U16002.38
/VRM Controller/Cur_A_8: C17001.1 U2001.34 U17001.38
/VRM Controller/CUR_A_9: C18001.1 U2001.35 U18001.38
/VRM Controller/Cur_A_10: C19001.1 U2001.36 U19001.38
/VRM Controller/Cur_B_1: C3001.1 U2001.38 U3001.38
/VRM Controller/Cur_B_2: C9001.1 U2001.37 U9001.38
/VRM Controller/PWM_A_1: U2001.12 U6001.34
/VRM Controller/PWM_A_2: U2001.11 U11001.34
/VRM Controller/PWM_A_3: U2001.10 U12001.34
/VRM Controller/PWM_A_4: U2001.9 U13001.34
/VRM Controller/PWM_A_5: U2001.8 U14001.34
/VRM Controller/PWM_A_6: U2001.7 U15001.34
/VRM Controller/PWM_A_7: U2001.6 U16002.34
/VRM Controller/PWM_A_8: U2001.5 U17001.34
/VRM Controller/PWM_A_9: U2001.4 U18001.34
/VRM Controller/PWM_A_10: U2001.3 U19001.34
/VRM Controller/PWM_B_1: U2001.1 U3001.34
/VRM Controller/PWM_B_2: U2001.2 U9001.34
/VRM Controller/VBOOT_A: R2003.2 R2004.1 U2001.18
/VRM Controller/VREF: C2002.2 C3001.2 C3003.1 C6001.2 C6003.1 C9001.2 C9003.1 C11001.2 C11003.1 C12001.2 C12003.1 C13001.2 C13003.1 C14001.2 C14003.1 C15001.2 C15003.1 C16018.2 C16020.1 C17001.2 C17003.1 C18001.2 C18003.1 C19001.2 C19003.1 R2003.1 R2010.1 U2001.48 U3001.39 U6001.39 U9001.39 U11001.39 U12001.39 U13001.39 U14001.39 U15001.39 U16002.39 U17001.39 U18001.39 U19001.39
A_ENABLE: C2001.1 R2001.2 R2002.1 U2001.17 U7001.27
AVR_READY: R2015.2 U2001.16 U7001.28
B_ENABLE: C2004.1 R2007.2 R2008.1 U2001.19 U7001.26
BVR_READY: R2014.2 U2001.20 U7001.29
CORE_TEMP: C2008.1 U2001.44 U6001.36 U11001.36 U12001.36 U13001.36 U14001.36 U15001.36 U16002.36 U17001.36 U18001.36 U19001.36
I2C_SCL: J8001.3 U7001.41
I2C_SDA: J8001.4 U7001.40
MEM_TEMP: C2009.1 U2001.43 U3001.36 U9001.36
OB_DOWN: SW8004.3 SW8004.4 U7001.33
OB_ENTER: SW8003.3 SW8003.4 U7001.35
OB_LEFT: SW8001.3 SW8001.4 U7001.36
OB_RIGHT: SW8005.3 SW8005.4 U7001.34
OB_UP: SW8002.3 SW8002.4 U7001.37
PMBUS_SCL: J1003.1 R2017.2 U2001.14 U7001.58
PMBUS_SDA: J1003.2 R2016.2 U2001.13 U7001.59
PMBUS_SMBA: R2018.2 R7010.1 U2001.15 U7001.57
USB_DN: U7001.44 U7003.6
USB_DP: U7001.45 U7003.4
Vcore: C6009.1 C6011.1 C6013.1 C6015.1 C6016.1 C6017.1 C11009.1 C11011.1 C11013.1 C11015.1 C11016.1 C11017.1 C12009.1 C12011.1 C12013.1 C12015.1 C12016.1 C12017.1 C13009.1 C13011.1 C13013.1 C13015.1 C13016.1 C13017.1 C14009.1 C14011.1 C14013.1 C14015.1 C14016.1 C14017.1 C15009.1 C15011.1 C15013.1 C15015.1 C15016.1 C15017.1 C16026.1 C16028.1 C16030.1 C16032.1 C16033.1 C16034.1 C17009.1 C17011.1 C17013.1 C17015.1 C17016.1 C17017.1 C18009.1 C18011.1 C18013.1 C18015.1 C18016.1 C18017.1 C19009.1 C19011.1 C19013.1 C19015.1 C19016.1 C19017.1 J1001.1 J2005.2 L6001.2 L11001.2 L12001.2 L13001.2 L14001.2 L15001.2 L16002.2 L17001.2 L18001.2 L19001.2 U6001.1 U11001.1 U12001.1 U13001.1 U14001.1 U15001.1 U16002.1 U17001.1 U18001.1 U19001.1
Vmem: C3009.1 C3011.1 C3013.1 C3015.1 C3016.1 C3017.1 C9009.1 C9011.1 C9013.1 C9015.1 C9016.1 C9017.1 J1001.3 J2001.2 L3001.2 L9001.2 U3001.1 U9001.1
VR_FAULT: R2013.2 U2001.41 U7001.39
Net-(C3006-Pad1): C3006.1 R3002.2
Net-(C3006-Pad2): C3006.2 U3001.31 U3001.32
Net-(C4004-Pad1): C4004.1 C4007.1 C4010.1 J4003.1 J4003.2 J4003.3 L4001.1
Net-(C4005-Pad1): C4005.1 C4008.1 C4011.1 J4005.1 J4005.2 J4005.3 L4002.1
Net-(C4006-Pad1): C4006.1 C4009.1 C4012.1 J4006.1 J4006.2 J4006.3 L4003.1
Net-(C6006-Pad1): C6006.1 R6002.2
Net-(C6006-Pad2): C6006.2 U6001.31 U6001.32
Net-(C9006-Pad1): C9006.1 R9002.2
Net-(C9006-Pad2): C9006.2 U9001.31 U9001.32
Net-(C11006-Pad1): C11006.1 R11002.2
Net-(C11006-Pad2): C11006.2 U11001.31 U11001.32
Net-(C12006-Pad1): C12006.1 R12002.2
Net-(C12006-Pad2): C12006.2 U12001.31 U12001.32
Net-(C13006-Pad1): C13006.1 R13002.2
Net-(C13006-Pad2): C13006.2 U13001.31 U13001.32
Net-(C14006-Pad1): C14006.1 R14002.2
Net-(C14006-Pad2): C14006.2 U14001.31 U14001.32
Net-(C15006-Pad1): C15006.1 R15002.2
Net-(C15006-Pad2): C15006.2 U15001.31 U15001.32
Net-(C16023-Pad1): C16023.1 R16004.2
Net-(C16023-Pad2): C16023.2 U16002.31 U16002.32
Net-(C17006-Pad1): C17006.1 R17002.2
Net-(C17006-Pad2): C17006.2 U17001.31 U17001.32
Net-(C18006-Pad1): C18006.1 R18002.2
Net-(C18006-Pad2): C18006.2 U18001.31 U18001.32
Net-(C19006-Pad1): C19006.1 R19002.2
Net-(C19006-Pad2): C19006.2 U19001.31 U19001.32
Net-(D4001-A): D4001.2 R4001.2
Net-(D4002-A): D4002.2 R4001.1
Net-(D5001-A): D5001.2 R5002.2
Net-(D5002-A): D5002.2 R5004.2
Net-(D5004-A): D5004.2 R5002.1
Net-(D5005-A): D5005.2 R5004.1
Net-(D7002-K): D7002.1 R7010.2
Net-(J2001-Pin_3): C2003.2 J2001.3 U2001.39
Net-(J2001-Pin_4): C2003.1 J2001.4 U2001.40
Net-(J2005-Pin_3): C2005.2 J2005.3 U2001.26
Net-(J2005-Pin_4): C2005.1 J2005.4 U2001.25
Net-(J7002-SWCLK/TCK): J7002.4 R7005.1 R7009.1
Net-(J7002-SWDIO/TMS): J7002.2 R7004.2 R7006.1
Net-(J7002-SWO/TDO): J7002.6 R7007.1
Net-(J7002-~{RESET}): J7002.10 R7008.1 R7011.2
Net-(J7003-CC1): J7003.A5 R7001.1
Net-(J7003-CC2): J7003.B5 R7002.1
Net-(J7003-D+-PadA6): J7003.A6 J7003.B6 U7003.3
Net-(J7003-D--PadA7): J7003.A7 J7003.B7 U7003.1
Net-(U3001-BOOT): R3002.1 U3001.33
Net-(U3001-VCC): C3004.1 R3001.2 U3001.3
Net-(U3001-VSWH): L3001.1 U3001.10
Net-(U5003-PG): R5006.1 U5003.4
Net-(U5003-SS/TR): C5005.1 U5003.9
Net-(U5003-SW): L5002.1 U5003.1 U5003.2 U5003.3
Net-(U6001-BOOT): R6002.1 U6001.33
Net-(U6001-VCC): C6004.1 R6001.2 U6001.3
Net-(U6001-VSWH): L6001.1 U6001.10
Net-(U7001-VCAP1): C7005.1 U7001.30
Net-(U9001-BOOT): R9002.1 U9001.33
Net-(U9001-VCC): C9004.1 R9001.2 U9001.3
Net-(U9001-VSWH): L9001.1 U9001.10
Net-(U11001-BOOT): R11002.1 U11001.33
Net-(U11001-VCC): C11004.1 R11001.2 U11001.3
Net-(U11001-VSWH): L11001.1 U11001.10
Net-(U12001-BOOT): R12002.1 U12001.33
Net-(U12001-VCC): C12004.1 R12001.2 U12001.3
Net-(U12001-VSWH): L12001.1 U12001.10
